# Altium PCB GridSeed_Rev03.PcbDoc (part 4 of 5) (continued)
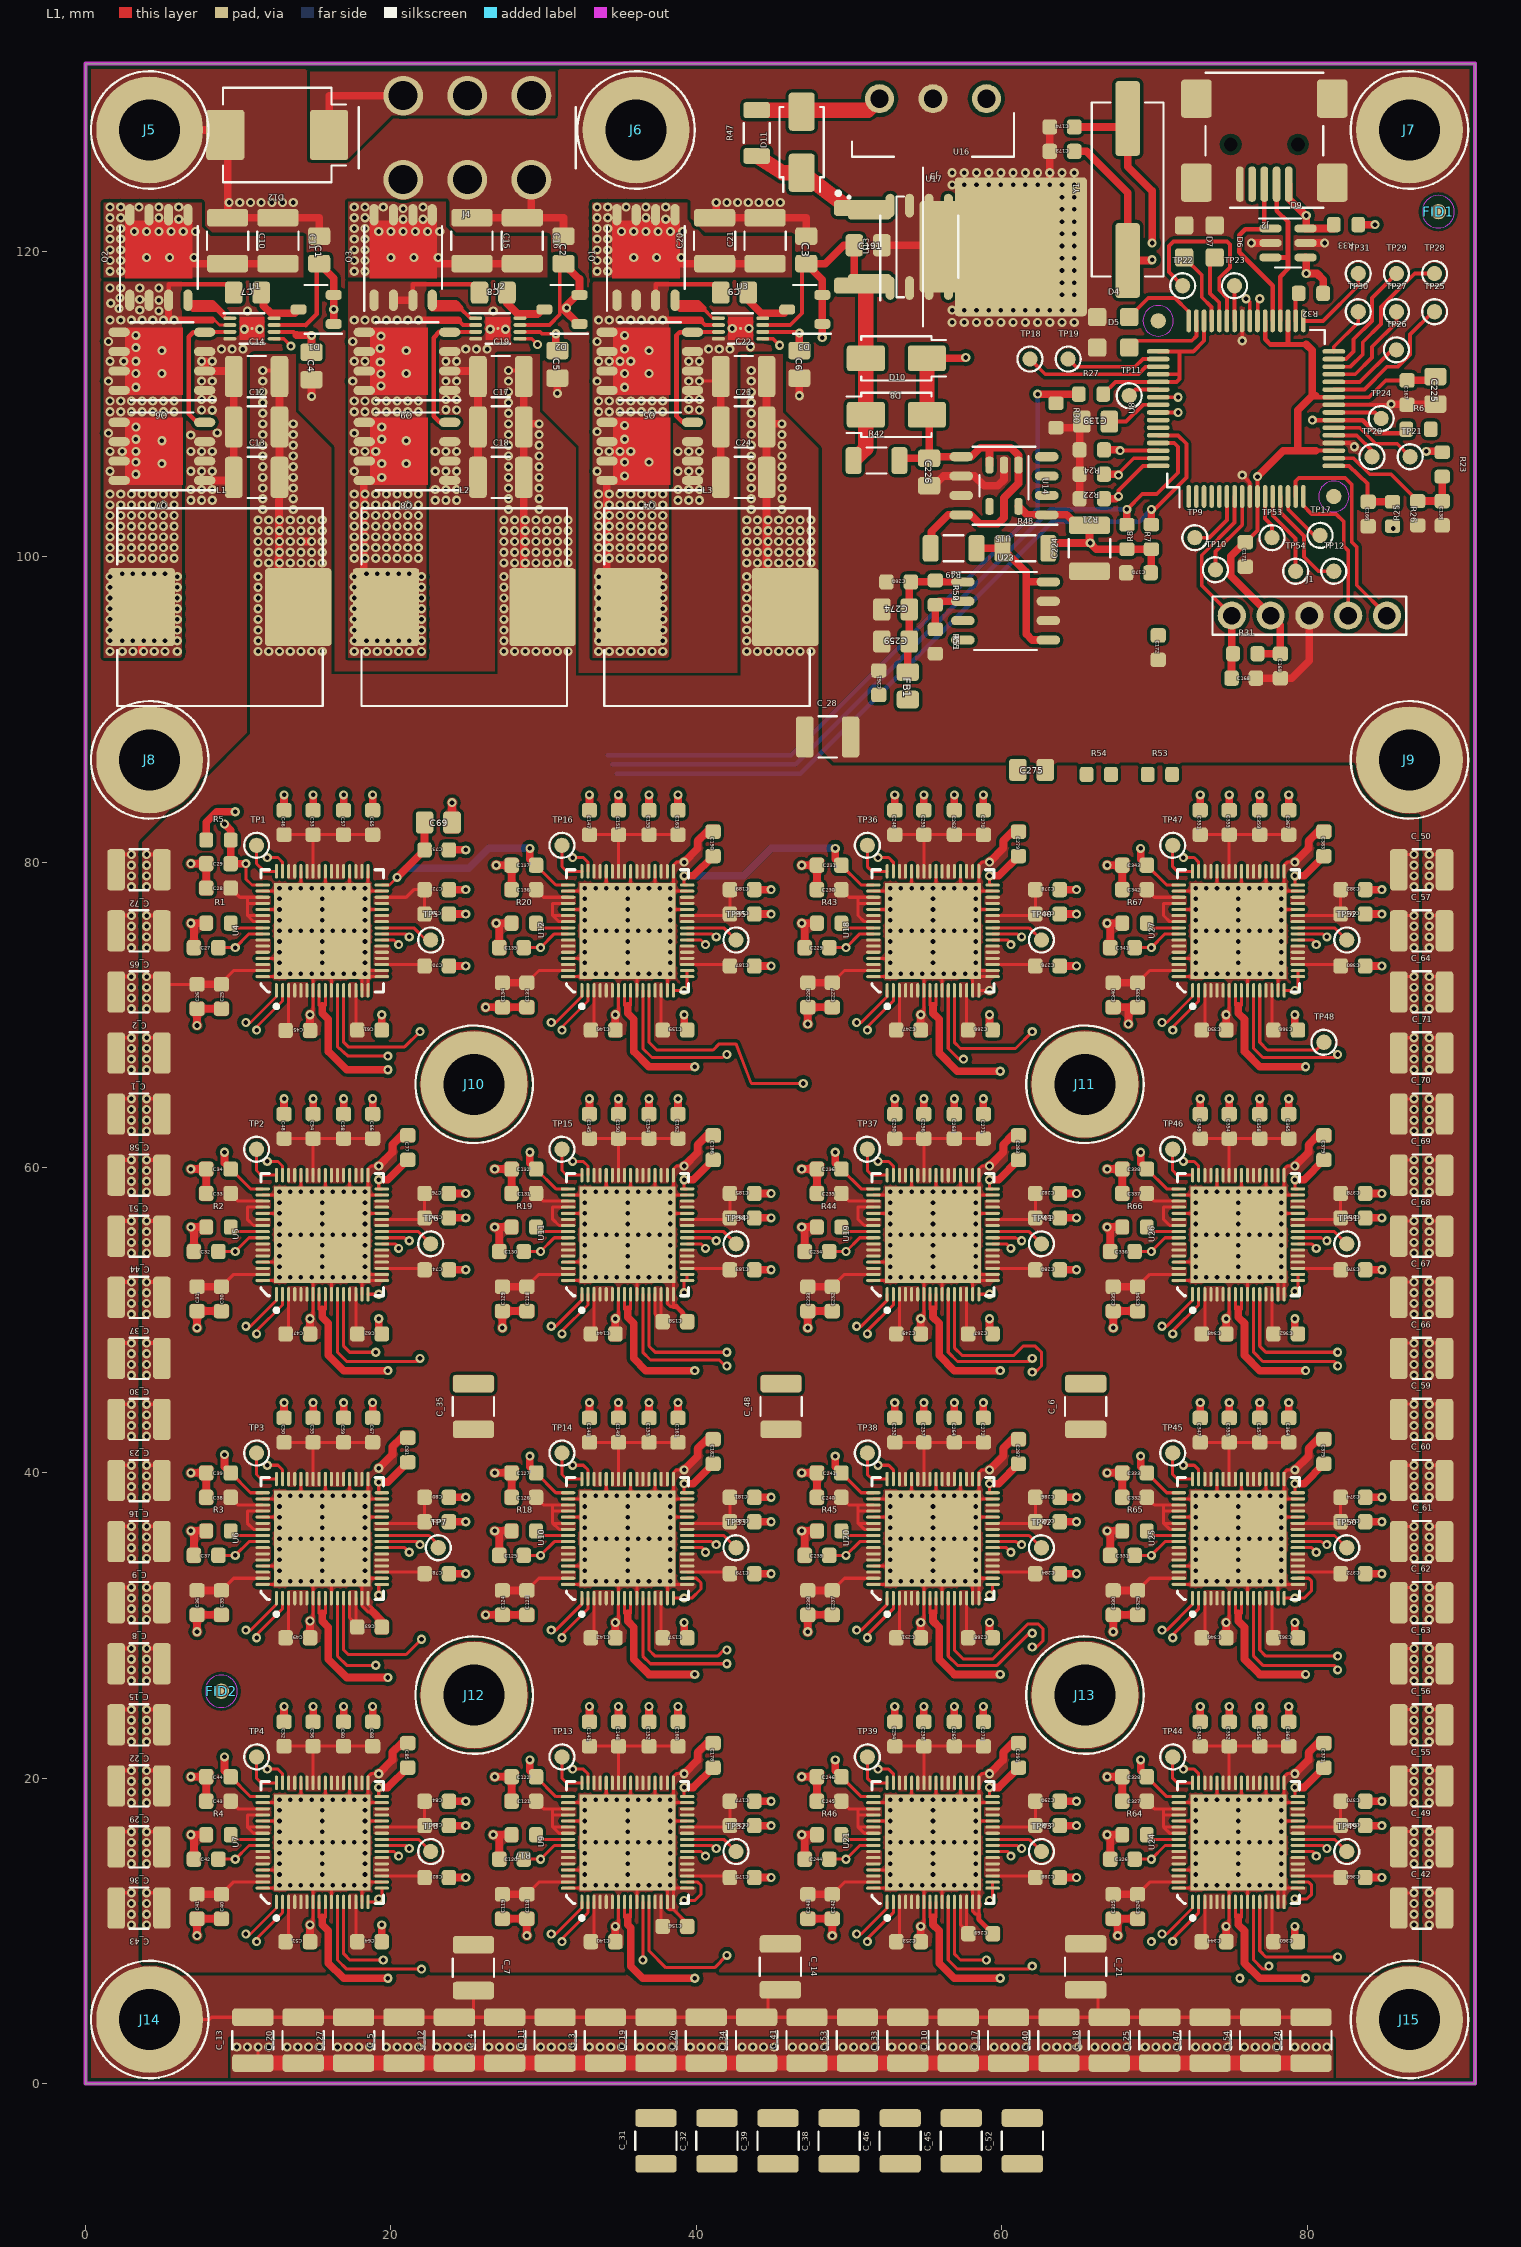
[diagram p0: L1 view]
## Nets (pads, with @x,y where several pads share a name; then routed paths per layer and width w, separated by ;. In a path a pad name is that pad's centre, name@x,y a point inside that pad or via, vN(x,y) a via of type N, cw(c..) or ccw(c..) an arc to the next point about the centre after c; other vN are vias at no path point) (continued)
  L1 w0.25: C_43.2@2,11.5 2,12.5 v1(3,12.5) ; C_36.2@2,15.5 2,16.5 v1(3,16.5) ; C_29.2@2,19.5 2,20.5 v1(3,20.5) ; C_22.2@2,23.5 2,24.5 v1(3,24.5) ; C_15.2@2,27.5 2,28.5 v1(3,28.5) ; C_8.2@2,31.5 2,32.5 v1(3,32.5) ; C_9.2@2,35.5 2,36.5 v1(3,36.5) ; C_16.2@2,39.5 2,40.5 v1(3,40.5) ; C_23.2@2,43.5 2,44.5 v1(3,44.5) ; C_30.2@2,47.5 2,48.5 v1(3,48.5) ; C_37.2@2,51.5 2,52.5 v1(3,52.5) ; C_44.2@2,55.5 2,56.5 v1(3,56.5) ; C_51.2@2,59.5 2,60.5 v1(3,60.5) ; C_58.2@2,63.5 2,64.5 v1(3,64.5) ; C_1.2@2,67.5 2,68.5 v1(3,68.5) ; C_2.2@2,71.5 2,72.5 v1(3,72.5) ; C_65.2@2,75.5 2,76.5 v1(3,76.5) ; C_72.2@2,79.5 2,80.5 v1(3,80.5) ; v1(75.75,105.35) 76.25,104.85 U8.9@76.25,103.95 ; v1(75.75,114.15) U8.41@75.75,115.45 ; U8.20@81.75,107.45 82.8,107.45 v1(83.1,107.2) ; U8.25@81.75,109.95 C167.2@86.55,109.95
  L1 w0.3: 38.5,50.9 38.7,50.9 39.1,50.5 C158.1@39.1,49.9 ; 58.5,11.1 58.5,10.743 C269.1@59.424,9.819
  L1 w0.5: J5.1@4.2,127.95 8.825,127.95 D12.2@9.15,127.625 9.3,127.625 C10.1@9.3,122.2 C11.1@12.6,122.2 15.3,122.2 C1.1@15.3,121 ; v1(6.9,16.3) v1@7.1,16.3 ; v1(6.9,20.1) C44.1@7.9,20.1 C43.1@7.9,18.5 ; v1(6.9,36.2) v1@7.1,36.2 ; v1(6.9,40) C39.1@7.9,40 C38.1@7.9,38.4 ; v1(6.9,56.1) v1@7.1,56.1 ; v1(6.9,59.9) C34.1@7.9,59.9 C33.1@7.9,58.3 ; v1(6.9,76) v1@7.1,76 ; v1(6.9,79.9) C29.1@7.9,79.9 C28.1@7.9,78.3 ; C42.1@7.1,14.7 v1@7.1,16.3 ; C37.1@7.1,34.6 v1@7.1,36.2 ; C32.1@7.1,54.5 v1@7.1,56.1 ; C27.1@7.1,74.4 v1@7.1,76 ; v1(7.3,9.7) C41.1@7.3,10.8 C40.1@8.9,10.8 ; v1(7.3,29.6) C36.1@7.3,30.7 C35.1@8.9,30.7 ; v1(7.3,49.5) C31.1@7.3,50.6 C30.1@8.9,50.6 ; v1(7.3,69.3) C26.1@7.3,70.4 C25.1@8.9,70.4 ; v1(7.6,112.8) 7.82,112.8 Q6.2@7.82,112.165 ; Q7.1@7.8,104.995 9.2,104.995 9.405,105.2 C13.1@9.7,105.2 C12.1@9.7,108.5 C14.1@9.7,111.8 9.6,112.065 9.5,112.165 Q6.2@7.82,112.165 ; Q6.2@7.8,112.165 Q6.2@7.82,112.165 ; R4.1@7.9,16.3 v1@7.1,16.3 ; R3.1@7.9,36.2 v1@7.1,36.2 ; R2.1@7.9,56.1 v1@7.1,56.1 ; R1.1@7.9,76 v1@7.1,76 ; C52.1@13,23.7 v1(13,24.7) ; C50.1@13,43.6 v1(13,44.6) ; C48.1@13,63.5 v1(13,64.5) ; C46.1@13,83.4 v1(13,84.4) ; C51.1@14.7,9.3 v1(14.7,10.4) ; C49.1@14.7,29.2 v1(14.7,30.3) ; C47.1@14.7,49.1 v1(14.7,50.1) ; C45.1@14.7,68.977 v1(14.7,70) ; v1(14.8,110.5) C4.2@14.8,111.6 ; C56.1@14.9,23.7 v1(14.9,24.7) ; C55.1@14.9,43.6 v1(14.9,44.6) ; C54.1@14.9,63.5 v1(14.9,64.5) ; C53.1@14.9,83.4 v1(14.9,84.4) ; C60.1@16.9,23.7 v1(16.9,24.7) ; C59.1@16.9,43.6 v1(16.9,44.6) ; C58.1@16.9,63.5 v1(16.9,64.5) ; C57.1@16.9,83.4 v1(16.9,84.4) ; C68.1@18.8,23.7 v1(18.8,24.7) ; 18.8,30.9 19.4,30.3 C63.1@19.4,29.9 ; C67.1@18.8,43.6 v1(18.8,44.6) ; C66.1@18.8,63.5 v1(18.8,64.5) ; C65.1@18.8,83.4 v1(18.8,84.4) ; v1(19.2,20.3) 20.1,21.2 20.1,21.7 20.7,22.3 C85.1@21.1,22.3 ; v1(19.2,40.3) 20.1,41.2 20.1,41.7 20.7,42.3 C81.1@21.1,42.3 ; v1(19.2,50.1) 19.2,49.1 C62.1@19.4,49.1 ; v1(19.2,60.1) 20.1,61 20.1,61.5 20.7,62.1 C77.1@21.1,62.1 ; C64.1@19.4,9.3 v1(19.4,10.4) ; C61.1@19.4,69 v1(19.4,70) ; C82.1@23.8,13.5 v1(24.9,13.5) ; C83.1@23.8,16.9 v1(24.9,16.9) ; C84.1@23.8,18.5 v1(24.9,18.5) ; C78.1@23.8,33.4 v1(24.9,33.4) ; C79.1@23.8,36.8 v1(24.9,36.8) ; C80.1@23.8,38.4 v1(24.9,38.4) ; C74.1@23.8,53.3 v1(24.9,53.3) ; C75.1@23.8,56.7 v1(24.9,56.7) ; C76.1@23.8,58.3 v1(24.9,58.3) ; C70.1@23.8,73.2 v1(24.9,73.2) ; C71.1@23.8,76.6 v1(24.9,76.6) ; C72.1@23.8,78.2 v1(24.9,78.2) ; C73.1@23.8,80.8 v1(24.9,80.8) ; Q9.2@23.85,112.165 25.6,112.165 25.7,112.065 C19.1@25.7,111.8 C17.1@25.7,108.5 C18.1@25.7,105.2 ; C69.2@24,82.6 v1(24,83.9) ; C15.1@25.3,122.2 C16.1@28.6,122.2 C16.1@29.2,122.2 ; v1(26.2,30.7) C124.1@27.3,30.7 C123.1@28.9,30.7 ; v1(26.2,70.5) C134.1@27.3,70.5 C133.1@28.9,70.5 ; v1(26.7,16.3) 27.1,16.3 ; v1(26.8,20.1) C122.1@27.9,20.1 C121.1@27.9,18.5 ; v1(26.8,36.2) 27.1,36.2 ; v1(26.8,40) C127.1@27.9,40 C126.1@27.9,38.4 ; v1(26.8,56.1) 27.1,56.1 ; v1(26.8,59.9) C132.1@27.9,59.9 C131.1@27.9,58.3 ; v1(26.9,76) v1@27.1,76 ; v1(26.9,79.8) C137.1@27.9,79.8 C136.1@27.9,78.2 ; C120.1@27.1,14.7 27.1,16.3 ; C125.1@27.1,34.6 27.1,36.2 ; C130.1@27.1,54.5 27.1,56.1 ; C135.1@27.1,74.4 v1@27.1,76 ; C119.1@27.3,10.8 C118.1@28.9,10.8 v1(28.9,9.7) ; v1(27.3,49.5) C129.1@27.3,50.6 C128.1@28.9,50.6 ; R17.2@27.9,16.3 27.1,16.3 ; R18.1@27.9,36.2 27.1,36.2 ; R19.1@27.9,56.1 27.1,56.1 ; R20.1@27.9,76 v1@27.1,76 ; J4.6@29.2,124.7 C16.1@29.2,122.2 ; v1(30.9,110.7) C5.2@30.9,111.7 ; C2.1@31.3,121 31.3,122.2 C16.1@29.2,122.2 ; C141.1@33,23.7 v1(33,24.7) ; C143.1@33,43.6 v1(33,44.6) ; C145.1@33,63.5 v1(33,64.5) ; C147.1@33,83.4 v1(33,84.4) ; C140.1@34.7,9.3 v1(34.7,10.3) ; C142.1@34.7,29.2 v1(34.7,30.2) ; C144.1@34.7,49.1 v1(34.7,50.1) ; C146.1@34.7,69 v1(34.7,70) ; C148.1@34.9,23.7 v1(34.9,24.7) ; C149.1@34.9,43.6 v1(34.9,44.6) ; C150.1@34.9,63.5 v1(34.9,64.5) ; C151.1@34.9,83.4 v1(34.9,84.4) ; C152.1@36.9,23.7 v1(36.9,24.7) ; C153.1@36.9,43.6 v1(36.9,44.6) ; C154.1@36.9,63.5 v1(36.9,64.5) ; C155.1@36.9,83.4 v1(36.9,84.4) ; C160.1@38.8,23.7 v1(38.8,24.7) ; C161.1@38.8,43.6 v1(38.8,44.6) ; C162.1@38.8,63.5 v1(38.8,64.5) ; C163.1@38.8,83.4 v1(38.8,84.4) ; v1(39.2,20.3) 40.1,21.2 40.1,21.7 40.7,22.3 C178.1@41.1,22.3 ; v1(39.2,30.2) 39.2,29.2 C157.1@39.4,29.2 ; v1(39.2,40.2) 40.1,41.1 40.1,41.6 40.7,42.2 C182.1@41.1,42.2 ; v1(39.2,60.1) 40.1,61 40.1,61.5 40.7,62.1 C186.1@41.1,62.1 ; v1(39.2,70) 39.2,69 C159.1@39.4,69 ; v1(39.2,80) 40.1,80.9 40.1,81.4 40.7,82 C190.1@41.1,82 ; C20.2@41.2,122.2 C20.2@41.3,122.2 ; v1(41.3,123.2) C20.2@41.3,122.2 ; C24.1@41.6,105.2 41.6,111.5 C22.1@41.6,111.8 ; C175.1@43.8,13.5 v1(44.9,13.5) ; C176.1@43.8,16.9 v1(44.9,16.9) ; C177.1@43.8,18.5 v1(44.9,18.5) ; C179.1@43.8,33.4 v1(44.9,33.4) ; C180.1@43.8,36.8 v1(44.9,36.8) ; C181.1@43.8,38.4 v1(44.9,38.4) ; C183.1@43.8,53.3 v1(44.9,53.3) ; C184.1@43.8,56.7 v1(44.9,56.7) ; C185.1@43.8,58.3 v1(44.9,58.3) ; C187.1@43.8,73.2 v1(44.9,73.2) ; C188.1@43.8,76.6 v1(44.9,76.6) ; C189.1@43.8,78.2 v1(44.9,78.2) ; v1(46.75,110.55) C6.2@46.75,111.7 ; v1(46.9,16.3) v1@47.1,16.3 ; v1(46.9,20.1) C246.1@47.9,20.1 C245.1@47.9,18.5 ; v1(46.9,36.2) v1@47.1,36.2 ; v1(46.9,40) C241.1@47.9,40 C240.1@47.9,38.4 ; v1(46.9,56.1) v1@47.1,56.1 ; v1(46.9,59.9) C236.1@47.9,59.9 C235.1@47.9,58.3 ; v1(46.9,76) v1@47.1,76 ; v1(46.9,79.8) C231.1@47.9,79.8 C230.1@47.9,78.2 ; C244.1@47.1,14.7 v1@47.1,16.3 ; C239.1@47.1,34.6 v1@47.1,36.2 ; C234.1@47.1,54.5 v1@47.1,56.1 ; C229.1@47.1,74.4 v1@47.1,76 ; C3.1@47.2,121 47.2,122.2 C21.2@44.5,122.2 C20.2@41.3,122.2 ; C243.1@47.3,10.8 C242.1@48.9,10.8 v1(48.9,9.7) ; v1(47.3,29.6) C238.1@47.3,30.7 C237.1@48.9,30.7 ; v1(47.3,49.5) C233.1@47.3,50.6 C232.1@48.9,50.6 ; v1(47.3,69.4) C228.1@47.3,70.5 C227.1@48.9,70.5 ; R46.1@47.9,16.3 v1@47.1,16.3 ; R45.1@47.9,36.2 v1@47.1,36.2 ; R44.1@47.9,56.1 v1@47.1,56.1 ; R43.1@47.9,76 v1@47.1,76 ; C191.2@52.15,120.4 61.3,120.4 61.225,120.325 U16.4@61.2,120.3 ; C254.1@53,23.7 v1(53,24.7) ; C252.1@53,43.6 v1(53,44.6) ; C250.1@53,63.5 v1(53,64.5) ; C248.1@53,83.4 v1(53,84.4) ; C253.1@54.7,9.3 v1(54.7,10.3) ; C251.1@54.7,29.2 v1(54.7,30.2) ; C249.1@54.7,49.1 v1(54.7,50.1) ; C247.1@54.7,69 v1(54.7,70) ; C258.1@54.9,23.7 v1(54.9,24.7) ; C257.1@54.9,43.6 v1(54.9,44.6) ; C256.1@54.9,63.5 v1(54.9,64.5) ; C255.1@54.9,83.4 v1(54.9,84.4) ; C226.2@55.25,104.65 55.25,104.85 55.75,104.85 56.185,105.285 U15.6@57.35,105.285 58.215,105.285 58.85,104.65 59.75,104.65 60.15,105.05 U14.2@60.15,106 ; C265.1@56.9,23.7 v1(56.9,24.7) ; C264.1@56.9,43.6 v1(56.9,44.6) ; C263.1@56.9,63.5 v1(56.9,64.5) ; C262.1@56.9,83.4 v1(56.9,84.4) ; U17.4@57.85,120.3 U16.4@61.2,120.3 ; C273.1@58.8,23.7 v1(58.8,24.7) ; C272.1@58.8,43.6 v1(58.8,44.6) ; C271.1@58.8,63.5 v1(58.8,64.5) ; C270.1@58.8,83.4 v1(58.8,84.4) ; v1(59.2,20.3) 60.1,21.2 60.1,21.7 60.7,22.3 C291.1@61.1,22.3 ; v1(59.2,30.2) 59.2,29.2 C268.1@59.4,29.2 ; v1(59.2,40.2) 60.1,41.1 60.1,41.6 60.7,42.2 C287.1@61.1,42.2 ; v1(59.2,50.1) 59.2,49.1 C267.1@59.4,49.1 ; v1(59.2,60.1) 60.1,61 60.1,61.5 60.7,62.1 C283.1@61.1,62.1 ; v1(59.2,70) 59.2,69 C266.1@59.4,69 ; v1(59.2,80) 60.1,80.9 60.1,81.4 60.7,82 C279.1@61.1,82 ; C174.2@63.15,128.15 C173.2@63.15,126.55 v1(63.15,125.15) v1(63.15,124.35) 63.15,120.3 U16.4@61.25,120.3 U16.4@61.2,120.3 ; R30.2@63.55,108.45 C139.2@65.1,108.45 ; C288.1@63.8,13.5 v1(64.9,13.5) ; C289.1@63.8,16.9 v1(64.9,16.9) ; C290.1@63.8,18.5 v1(64.9,18.5) ; C284.1@63.8,33.4 v1(64.9,33.4) ; C285.1@63.8,36.8 v1(64.9,36.8) ; C286.1@63.8,38.4 v1(64.9,38.4) ; C280.1@63.8,53.3 v1(64.9,53.3) ; C281.1@63.8,56.7 v1(64.9,56.7) ; C282.1@63.8,58.3 v1(64.9,58.3) ; C276.1@63.8,73.2 v1(64.9,73.2) ; C277.1@63.8,76.6 v1(64.9,76.6) ; C278.1@63.8,78.2 v1(64.9,78.2) ; R21.2@65.1,103.8 R22.2@65.1,105.4 R24.2@65.1,107 C139.2@65.1,108.45 ; C139.2@65.25,108.85 65.1,108.85 C139.2@65.1,108.45 ; v1(66.9,16.3) v1@67.1,16.3 ; v1(66.9,20.1) C328.1@67.9,20.1 C327.1@67.9,18.5 ; v1(66.9,36.2) v1@67.1,36.2 ; v1(66.9,40) C333.1@67.9,40 C332.1@67.9,38.4 ; v1(66.9,56.1) v1@67.1,56.1 ; v1(66.9,59.9) C338.1@67.9,59.9 C337.1@67.9,58.3 ; v1(66.9,76) v1@67.1,76 ; v1(66.9,79.8) C343.1@67.9,79.8 C342.1@67.9,78.2 ; C326.1@67.1,14.7 v1@67.1,16.3 ; C331.1@67.1,34.6 v1@67.1,36.2 ; C336.1@67.1,54.5 v1@67.1,56.1 ; C341.1@67.1,74.4 v1@67.1,76 ; C325.1@67.3,10.8 C325.1@67.6,10.8 ; v1(67.3,29.6) C330.1@67.3,30.7 C329.1@68.9,30.7 ; v1(67.3,49.5) C335.1@67.3,50.6 C334.1@68.9,50.6 ; C340.1@67.3,70.5 68.3,70.5 ; v1(67.6,9.7) C325.1@67.6,10.8 ; R64.1@67.9,16.3 v1@67.1,16.3 ; R65.1@67.9,36.2 v1@67.1,36.2 ; R66.1@67.9,56.1 v1@67.1,56.1 ; R67.1@67.9,76 v1@67.1,76 ; v1(68.3,69.4) 68.3,70.5 ; C324.1@68.9,10.8 C325.1@67.6,10.8 ; C339.1@68.9,70.5 68.3,70.5 ; C345.1@73,23.7 v1(73,24.7) ; C347.1@73,43.6 v1(73,44.6) ; C349.1@73,63.5 v1(73,64.5) ; C351.1@73,83.4 v1(73,84.4) ; C344.1@74.7,9.3 v1(74.7,10.3) ; C346.1@74.7,29.2 v1(74.7,30.2) ; C348.1@74.7,49.1 v1(74.7,50.1) ; C350.1@74.7,69 v1(74.7,70) ; C352.1@74.9,23.7 v1(74.9,24.7) ; C353.1@74.9,43.6 v1(74.9,44.6) ; C354.1@74.9,63.5 v1(74.9,64.5) ; C355.1@74.9,83.4 v1(74.9,84.4) ; v1(76.35,120.55) D9.2@77.6,120.55 ; C168.2@76.65,92.05 C169.2@78.25,92.05 79,92.05 80.15,93.2 J1.3@80.15,96.15 ; C356.1@76.9,23.7 v1(76.9,24.7) ; C357.1@76.9,43.6 v1(76.9,44.6) ; C358.1@76.9,63.5 v1(76.9,64.5) ; C359.1@76.9,83.4 v1(76.9,84.4) ; C363.1@78.8,23.7 v1(78.8,24.7) ; C364.1@78.8,43.6 v1(78.8,44.6) ; C365.1@78.8,63.5 v1(78.8,64.5) ; C367.1@78.8,83.4 v1(78.8,84.4) ; v1(79.2,10.3) 79.2,9.3 C360.1@79.4,9.3 ; v1(79.2,20.3) 80.1,21.2 80.1,21.7 80.7,22.3 C371.1@81.1,22.3 ; v1(79.2,30.2) 79.2,29.2 C361.1@79.4,29.2 ; v1(79.2,40.2) 80.1,41.1 80.1,41.6 80.7,42.2 C375.1@81.1,42.2 ; v1(79.2,50.1) 79.2,49.1 C362.1@79.4,49.1 ; v1(79.2,60.1) 80.1,61 80.1,61.5 80.7,62.1 C379.1@81.1,62.1 ; v1(79.2,70) 79.2,69 C366.1@79.4,69 ; v1(79.2,80) 80.1,80.9 80.1,81.4 80.7,82 C383.1@81.1,82 ; D9.5@79.9,120.55 v1(81.15,120.55) ; C368.1@83.8,13.5 v1(84.9,13.5) ; C369.1@83.8,16.9 v1(84.9,16.9) ; C370.1@83.8,18.5 v1(84.9,18.5) ; C372.1@83.8,33.4 v1(84.9,33.4) ; C373.1@83.8,36.8 v1(84.9,36.8) ; C374.1@83.8,38.4 v1(84.9,38.4) ; C376.1@83.8,53.3 v1(84.9,53.3) ; C377.1@83.8,56.7 v1(84.9,56.7) ; C378.1@83.8,58.3 v1(84.9,58.3) ; C380.1@83.8,73.2 v1(84.9,73.2) ; C381.1@83.8,76.6 v1(84.9,76.6) ; C382.1@83.8,78.2 v1(84.9,78.2) ; v1(85.5,110) 86,110 ; C167.2@86.55,109.95 86,110 ; C225.2@88.4,110 86,110
  other v1: 3,10.4 88,10.4 3,11.1 88,11.1 3,11.8 88,11.8 12.7,13 13.4,13 14.1,13 14.8,13 16.2,13 16.9,13 17.6,13 18.3,13 32.7,13 33.4,13 34.1,13 34.8,13 36.2,13 36.9,13 37.6,13 38.3,13 52.7,13 53.4,13 54.1,13 54.8,13 56.2,13 56.9,13 57.6,13 58.3,13 72.7,13 73.4,13 74.1,13 74.8,13 76.2,13 76.9,13 77.6,13 78.3,13 12.7,13.7 18.3,13.7 32.7,13.7 38.3,13.7 52.7,13.7 58.3,13.7 72.7,13.7 78.3,13.7 3,14.4 12.7,14.4 18.3,14.4 32.7,14.4 38.3,14.4 52.7,14.4 58.3,14.4 72.7,14.4 78.3,14.4 88,14.4 3,15.1 12.7,15.1 18.3,15.1 32.7,15.1 38.3,15.1 52.7,15.1 58.3,15.1 72.7,15.1 78.3,15.1 88,15.1 3,15.8 12.7,15.8 13.4,15.8 14.1,15.8 14.8,15.8 16.2,15.8 16.9,15.8 17.6,15.8 18.3,15.8 32.7,15.8 33.4,15.8 34.1,15.8 34.8,15.8 36.2,15.8 36.9,15.8 37.6,15.8 38.3,15.8 52.7,15.8 53.4,15.8 54.1,15.8 54.8,15.8 56.2,15.8 56.9,15.8 57.6,15.8 58.3,15.8 72.7,15.8 73.4,15.8 74.1,15.8 74.8,15.8 76.2,15.8 76.9,15.8 77.6,15.8 78.3,15.8 88,15.8 12.7,16.5 18.3,16.5 32.7,16.5 38.3,16.5 52.7,16.5 58.3,16.5 72.7,16.5 78.3,16.5 12.7,17.9 18.3,17.9 32.7,17.9 38.3,17.9 52.7,17.9 58.3,17.9 72.7,17.9 78.3,17.9 3,18.4 88,18.4 12.7,18.6 13.4,18.6 14.8,18.6 15.5,18.6 16.2,18.6 16.9,18.6 17.6,18.6 18.3,18.6 32.7,18.6 33.4,18.6 34.8,18.6 35.5,18.6 36.2,18.6 36.9,18.6 37.6,18.6 38.3,18.6 52.7,18.6 53.4,18.6 54.8,18.6 55.5,18.6 56.2,18.6 56.9,18.6 57.6,18.6 58.3,18.6 72.7,18.6 73.4,18.6 74.8,18.6 75.5,18.6 76.2,18.6 76.9,18.6 77.6,18.6 78.3,18.6 3,19.1 88,19.1 3,19.8 88,19.8 3,22.4 88,22.4 3,23.1 88,23.1 3,23.8 88,23.8 3,26.4 88,26.4 3,27.1 88,27.1 3,27.8 88,27.8 3,30.4 88,30.4 3,31.1 88,31.1 3,31.8 88,31.8 13.4,32.9 14.1,32.9 14.8,32.9 16.2,32.9 16.9,32.9 17.6,32.9 18.3,32.9 32.7,32.9 33.4,32.9 34.1,32.9 34.8,32.9 36.2,32.9 36.9,32.9 37.6,32.9 38.3,32.9 52.7,32.9 53.4,32.9 54.1,32.9 54.8,32.9 56.2,32.9 56.9,32.9 57.6,32.9 58.3,32.9 72.7,32.9 73.4,32.9 74.1,32.9 74.8,32.9 76.2,32.9 76.9,32.9 77.6,32.9 78.3,32.9 12.7,33.6 18.3,33.6 32.7,33.6 38.3,33.6 52.7,33.6 58.3,33.6 72.7,33.6 78.3,33.6 12.7,34.3 18.3,34.3 32.7,34.3 38.3,34.3 52.7,34.3 58.3,34.3 72.7,34.3 78.3,34.3 3,34.4 88,34.4 12.7,35 18.3,35 32.7,35 38.3,35 52.7,35 58.3,35 72.7,35 78.3,35 3,35.1 88,35.1 12.7,35.7 13.4,35.7 14.1,35.7 14.8,35.7 16.2,35.7 16.9,35.7 17.6,35.7 18.3,35.7 32.7,35.7 33.4,35.7 34.1,35.7 34.8,35.7 36.2,35.7 36.9,35.7 37.6,35.7 38.3,35.7 52.7,35.7 53.4,35.7 54.1,35.7 54.8,35.7 56.2,35.7 56.9,35.7 57.6,35.7 58.3,35.7 72.7,35.7 73.4,35.7 74.1,35.7 74.8,35.7 76.2,35.7 76.9,35.7 77.6,35.7 78.3,35.7 3,35.8 88,35.8 12.7,36.4 18.3,36.4 32.7,36.4 38.3,36.4 52.7,36.4 58.3,36.4 72.7,36.4 78.3,36.4 12.7,37.8 18.3,37.8 32.7,37.8 38.3,37.8 52.7,37.8 58.3,37.8 72.7,37.8 78.3,37.8 3,38.4 88,38.4 12.7,38.5 13.4,38.5 14.8,38.5 15.5,38.5 16.2,38.5 16.9,38.5 17.6,38.5 18.3,38.5 32.7,38.5 33.4,38.5 34.8,38.5 35.5,38.5 36.2,38.5 36.9,38.5 37.6,38.5 38.3,38.5 52.7,38.5 53.4,38.5 54.8,38.5 55.5,38.5 56.2,38.5 56.9,38.5 57.6,38.5 58.3,38.5 72.7,38.5 73.4,38.5 74.8,38.5 75.5,38.5 76.2,38.5 76.9,38.5 77.6,38.5 78.3,38.5 3,39.1 88,39.1 3,39.8 88,39.8 3,42.4 88,42.4 3,43.1 88,43.1 3,43.8 88,43.8 3,46.4 88,46.4 3,47.1 88,47.1 3,47.8 88,47.8 3,50.4 88,50.4 3,51.1 88,51.1 3,51.8 88,51.8 12.7,52.8 13.4,52.8 14.1,52.8 14.8,52.8 16.2,52.8 16.9,52.8 17.6,52.8 18.3,52.8 32.7,52.8 33.4,52.8 34.1,52.8 34.8,52.8 52.7,52.8 53.4,52.8 54.1,52.8 54.8,52.8 56.2,52.8 56.9,52.8 57.6,52.8 58.3,52.8 72.7,52.8 73.4,52.8 74.1,52.8 74.8,52.8 76.2,52.8 76.9,52.8 77.6,52.8 78.3,52.8 12.7,53.5 18.3,53.5 32.7,53.5 38.3,53.5 52.7,53.5 58.3,53.5 72.7,53.5 78.3,53.5 12.7,54.2 18.3,54.2 32.7,54.2 38.3,54.2 52.7,54.2 58.3,54.2 72.7,54.2 78.3,54.2 3,54.4 88,54.4 12.7,54.9 18.3,54.9 32.7,54.9 38.3,54.9 52.7,54.9 58.3,54.9 72.7,54.9 78.3,54.9 3,55.1 88,55.1 12.7,55.6 13.4,55.6 14.1,55.6 14.8,55.6 16.2,55.6 16.9,55.6 17.6,55.6 18.3,55.6 32.7,55.6 33.4,55.6 34.1,55.6 34.8,55.6 36.2,55.6 36.9,55.6 37.6,55.6 38.3,55.6 52.7,55.6 53.4,55.6 54.1,55.6 54.8,55.6 56.2,55.6 56.9,55.6 57.6,55.6 58.3,55.6 72.7,55.6 73.4,55.6 74.1,55.6 74.8,55.6 76.2,55.6 76.9,55.6 77.6,55.6 78.3,55.6 3,55.8 88,55.8 12.7,56.3 18.3,56.3 32.7,56.3 38.3,56.3 52.7,56.3 58.3,56.3 72.7,56.3 78.3,56.3 12.7,57.7 18.3,57.7 32.7,57.7 38.3,57.7 52.7,57.7 58.3,57.7 72.7,57.7 78.3,57.7 3,58.4 12.7,58.4 13.4,58.4 14.8,58.4 15.5,58.4 16.2,58.4 16.9,58.4 17.6,58.4 18.3,58.4 32.7,58.4 33.4,58.4 34.8,58.4 35.5,58.4 36.2,58.4 36.9,58.4 37.6,58.4 38.3,58.4 52.7,58.4 53.4,58.4 54.8,58.4 55.5,58.4 56.2,58.4 56.9,58.4 57.6,58.4 58.3,58.4 72.7,58.4 73.4,58.4 74.8,58.4 75.5,58.4 76.2,58.4 76.9,58.4 77.6,58.4 78.3,58.4 88,58.4 3,59.1 88,59.1 3,59.8 88,59.8 3,62.4 88,62.4 3,63.1 88,63.1 3,63.8 88,63.8 3,66.4 88,66.4 3,67.1 88,67.1 3,67.8 88,67.8 3,70.4 88,70.4 3,71.1 88,71.1 3,71.8 88,71.8 12.7,72.7 13.4,72.7 14.1,72.7 14.8,72.7 16.2,72.7 16.9,72.7 17.6,72.7 18.3,72.7 32.7,72.7 33.4,72.7 34.1,72.7 34.8,72.7 36.2,72.7 36.9,72.7 37.6,72.7 52.7,72.7 53.4,72.7 54.1,72.7 54.8,72.7 56.2,72.7 56.9,72.7 57.6,72.7 58.3,72.7 72.7,72.7 73.4,72.7 74.1,72.7 74.8,72.7 76.2,72.7 76.9,72.7 77.6,72.7 78.3,72.7 12.7,73.4 18.3,73.4 32.7,73.4 38.3,73.4 52.7,73.4 58.3,73.4 72.7,73.4 78.3,73.4 12.7,74.1 18.3,74.1 32.7,74.1 38.3,74.1 52.7,74.1 58.3,74.1 72.7,74.1 78.3,74.1 3,74.4 88,74.4 12.7,74.8 18.3,74.8 32.7,74.8 38.3,74.8 52.7,74.8 58.3,74.8 72.7,74.8 78.3,74.8 3,75.1 88,75.1 12.7,75.5 13.4,75.5 14.1,75.5 14.8,75.5 16.2,75.5 16.9,75.5 17.6,75.5 18.3,75.5 32.7,75.5 33.4,75.5 34.1,75.5 34.8,75.5 36.2,75.5 36.9,75.5 37.6,75.5 38.3,75.5 52.7,75.5 53.4,75.5 54.1,75.5 54.8,75.5 56.2,75.5 56.9,75.5 57.6,75.5 58.3,75.5 72.7,75.5 73.4,75.5 74.1,75.5 74.8,75.5 76.2,75.5 76.9,75.5 77.6,75.5 78.3,75.5 3,75.8 88,75.8 12.7,76.2 18.3,76.2 32.7,76.2 38.3,76.2 52.7,76.2 58.3,76.2 72.7,76.2 78.3,76.2 12.7,77.6 18.3,77.6 32.7,77.6 38.3,77.6 52.7,77.6 58.3,77.6 72.7,77.6 78.3,77.6 12.7,78.3 13.4,78.3 14.8,78.3 16.2,78.3 16.9,78.3 17.6,78.3 18.3,78.3 32.7,78.3 33.4,78.3 34.8,78.3 35.5,78.3 36.2,78.3 36.9,78.3 37.6,78.3 38.3,78.3 52.7,78.3 53.4,78.3 54.8,78.3 55.5,78.3 56.2,78.3 56.9,78.3 57.6,78.3 58.3,78.3 72.7,78.3 73.4,78.3 74.8,78.3 75.5,78.3 76.2,78.3 76.9,78.3 77.6,78.3 78.3,78.3 3,78.4 88,78.4 3,79.1 88,79.1 3,79.8 88,79.8 6.9,103.7 7.6,103.7 8.3,103.7 22.9,103.7 23.6,103.7 24.3,103.7 38.8,103.7 39.5,103.7 40.2,103.7 6.9,104.4 7.6,104.4 8.3,104.4 22.9,104.4 23.6,104.4 24.3,104.4 38.8,104.4 39.5,104.4 40.2,104.4 6.9,105.6 7.6,105.6 8.3,105.6 22.9,105.6 23.6,105.6 24.3,105.6 38.8,105.6 39.5,105.6 40.2,105.6 6.9,106.9 7.6,106.9 8.3,106.9 22.9,106.9 23.6,106.9 24.3,106.9 38.8,106.9 39.5,106.9 40.2,106.9 6.888,107.968 8.62,108.11 8.3,109.6 7.6,109.61 24.3,109.61 40.2,109.61 23.6,109.63 39.5,109.65 7.6,110.3 8.3,110.3 23.6,110.3 24.3,110.3 39.5,110.3 40.2,110.3 7.6,111.5 8.3,111.5 23.6,111.5 24.3,111.5 39.5,111.5 8.3,112.8 23.6,112.8 24.3,112.8 39.5,112.8 40.2,112.8 8.9,113.6 9.6,113.6 10.3,113.6 24.9,113.6 25.6,113.6 26.3,113.6 40.8,113.6 41.5,113.6 42.2,113.6 43.55,113.75 10.4,114.9 11.4,114.9 26.5,114.9 27.5,114.9 42.35,114.95 43.45,114.95 56.75,115.35 57.55,115.35 58.35,115.35 59.15,115.35 59.95,115.35 60.75,115.35 61.55,115.35 62.35,115.35 63.15,115.35 63.95,115.35 64.75,115.35 10.6,116.1 26.7,116.1 56.75,116.15 57.55,116.15 58.35,116.15 59.15,116.15 59.95,116.15 60.75,116.15 61.55,116.15 62.35,116.15 63.15,116.15 63.95,116.15 64.75,116.15 63.95,117.15 64.75,117.15 63.95,117.95 64.75,117.95 63.95,118.75 64.75,118.75 63.95,119.55 64.75,119.55 63.95,120.35 64.75,120.35 63.95,121.15 64.75,121.15 63.95,121.95 64.75,121.95 63.95,122.75 64.75,122.75 9.4,123.2 10.1,123.2 10.8,123.2 11.5,123.2 12.2,123.2 12.9,123.2 13.6,123.2 42,123.2 42.7,123.2 43.4,123.2 44.1,123.2 44.8,123.2 45.5,123.2 63.95,123.55 64.75,123.55 56.75,124.35 57.55,124.35 58.35,124.35 59.15,124.35 59.95,124.35 60.75,124.35 61.55,124.35 62.35,124.35 63.95,124.35 64.75,124.35 56.75,125.15 57.55,125.15 58.35,125.15 59.15,125.15 59.95,125.15 60.75,125.15 61.55,125.15 62.35,125.15 63.95,125.15 64.75,125.15
GREEN: D5.2 U8.47 | length 5.7
  L1 w0.25: D5.2@68.35,113.7 68.8,114.15 72.45,114.15 72.75,114.45 72.75,114.85 U8.47@72.75,115.45
HO1: Q2.4 U1.1 | length 5.5
  L1 w0.25: 9,115.9 9,115.775 9.15,115.625 U1.1@9.45,115.625
  L1 w0.45: 9,115.9 8.65,116.25 ; 8.65,116.25 7.035,116.25 6.705,116.58 8.32,116.58 8.65,116.25
  L1 w0.5: Q2.4@6.705,116.58 Q2.4@6.705,116.8
HO2: Q3.4 U2.1 | length 5.8
  L1 w0.25: Q3.4@22.705,116.3 Q3.4@22.705,116.58 ; 24.525,116.3 25.2,115.625 U2.1@25.55,115.625
  L1 w0.45: Q3.4@22.705,116.58 24.245,116.58 24.525,116.3 22.705,116.3 Q3.4@22.705,116.6
  L1 w0.5: Q3.4@22.705,116.6 Q3.4@22.705,116.8
HO3: Q1.4 U3.1 | length 5.4
  L1 w0.25: 40.45,116.25 41.075,115.625 U3.1@41.45,115.625
  L1 w0.45: Q1.4@38.605,116.58 38.935,116.25 40.45,116.25 40.12,116.58 Q1.4@38.605,116.58
  L1 w0.5: Q1.4@38.605,116.58 Q1.4@38.605,116.8
LDO3.3V-5.0V: R48.1 R49.1 U22.5 U22.8 U23.5 U23.8 | length 10.8
  L1 w0.5: R49.1@58.35,100.55 R48.1@60.05,100.55 61.6,99 61.6,98.355 ; U22.5@62.95,94.545 62,94.545 61.6,94.945 61.6,98.355 ; U22.8@62.95,98.355 61.6,98.355
LDO5.0V: C226.1 D8.1 D10.2 R33.1 R42.2 R49.2 U14.1 U14.3 U15.5 U15.8 | length 63.2
  L1 w0.5: R42.2@53.3,106.3 53.45,106.45 C226.1@55.25,106.45 C226.1@55.25,106.555 ; D10.2@55.1,109.3 55.25,109.15 C226.1@55.25,106.555 ; D8.1@55.1,113 57.6,113 v1(57.65,113.05) ; R49.2@55.35,100.55 55.4,100.6 55.4,101.645 56.5,102.745 U15.8@57.35,102.745 57.955,102.745 58.55,102.15 59.75,102.15 60.15,102.55 60.15,103.85 61.1,104.8 U14.1@61.1,106 61.1,106.65 60.6,107.15 59.2,107.15 ; U14.3@59.2,106 59.2,107.15 ; R33.1@83.35,121.75 v1(84.45,121.75) ; C226.1@55.25,106.555 U15.5@57.35,106.555 58.005,106.555 58.6,107.15 59.2,107.15
  L1 w1: D10.2@55.1,109.3 D8.1@55.1,113
  L3 w0.25: v1(57.65,113.05) 78.85,113.05 84.45,118.65 v1(84.45,121.75)
LM12V: D11.1 R47.1 U13.8 U16.1 U17.1 | length 11
  L1 w0.5: U16.1@50.9,122.84 U16.1@51.1,122.84 ; U16.1@51.29,122.85 51.44,123 U13.8@52.695,123 ; U17.1@51.35,122.59 U16.1@51.35,122.79 ; U16.1@51.1,122.84 U16.1@51.35,122.79 ; U16.1@51.1,122.84 51.3,122.84 U16.1@51.35,122.79
  L1 w1: R47.1@43.95,126.25 45.65,125.15 D11.1@46.9,125.15 49.95,122.85 51.29,122.85 U16.1@51.1,122.84
LO1: Q6.4 Q7.4 U1.3 | length 9.2
  L1 w0.25: Q6.4@7.8,114.705 7.8,114.725 U1.3@9.45,114.725
  L1 w0.3: Q7.4@7.8,108.805 7.795,108.8 7.3,108.8 6.75,109.35 6.75,114.4 7.055,114.705 Q6.4@7.8,114.705
LO2: Q8.4 Q9.4 U2.3 | length 9.3
  L1 w0.25: Q9.4@23.85,114.705 23.87,114.725 U2.3@25.55,114.725
  L1 w0.3: Q8.4@23.85,108.805 23.2,108.805 22.8,109.205 22.8,114.35 23.175,114.725 Q9.4@23.87,114.725
LO3: Q4.4 Q5.4 U3.3 | length 9.4
  L1 w0.25: Q5.4@40,114.705 40.02,114.725 U3.3@41.45,114.725
  L1 w0.3: Q4.4@39.75,108.805 39.1,108.805 38.7,109.205 38.7,114.495 38.91,114.705 Q5.4@40,114.705
LTC_EN: R6.1 U4.47 U5.47 U6.47 U7.47 U8.23 U9.47 U10.47 U11.47 U12.47 U18.47 U19.47 U20.47 U21.47 U24.47 U25.47 U26.47 U27.47 | length 387.7
  L1 w0.2: v1(11.9,20.6) 12.6,20.6 12.9,20.3 U7.47@12.9,19.7 ; v1(11.9,40.5) 12.6,40.5 12.9,40.2 U6.47@12.9,39.6 ; v1(11.9,60.4) 12.6,60.4 12.9,60.1 U5.47@12.9,59.5 ; v1(11.9,80.3) 12.6,80.3 12.9,80 U4.47@12.9,79.4 ; v1(31.9,20.6) 32.6,20.6 32.9,20.3 U9.47@32.9,19.7 ; v1(31.9,40.5) 32.6,40.5 32.9,40.2 U10.47@32.9,39.6 ; v1(31.9,60.4) 32.6,60.4 32.9,60.1 U11.47@32.9,59.5 ; v1(31.9,80.3) 32.6,80.3 32.9,80 U12.47@32.9,79.4 ; v1(51.9,20.6) 52.6,20.6 52.9,20.3 U21.47@52.9,19.7 ; v1(51.9,40.5) 52.6,40.5 52.9,40.2 U20.47@52.9,39.6 ; v1(51.9,60.4) 52.6,60.4 52.9,60.1 U19.47@52.9,59.5 ; v1(51.9,80.3) 52.6,80.3 52.9,80 U18.47@52.9,79.4 ; v1(71.9,20.6) 72.6,20.6 72.9,20.3 U24.47@72.9,19.7 ; v1(71.9,40.5) 72.6,40.5 72.9,40.2 U25.47@72.9,39.6 ; v1(71.9,60.4) 72.6,60.4 72.9,60.1 U26.47@72.9,59.5 ; v1(71.9,80.3) 72.6,80.3 72.9,80 U27.47@72.9,79.4
  L1 w0.3: v1(80.35,108.95) 83.65,108.95 84.5,108.1 86.5,108.1 R6.1@86.5,108.35
  L2 w0.3: v1(11.9,80.3) v1(11.9,60.4) v1(11.9,40.5) v1(11.9,20.6) 11.9,10.3 13.3,8.9 19.7,8.9 21.8,6.8 31.9,6.8 ; v1(31.9,80.3) v1(31.9,60.4) v1(31.9,40.5) v1(31.9,20.6) 31.9,6.8 ; v1(51.9,80.3) v1(51.9,60.4) v1(51.9,40.5) v1(51.9,20.6) 51.9,7.6 ; v1(71.9,80.3) v1(71.9,60.4) v1(71.9,40.5) v1(71.9,20.6) 71.9,8.2 70.5,6.8 62,6.8 59.9,8.9 58.3,8.9 57,7.6 51.9,7.6 ; 31.9,6.8 34,6.8 36.3,9.1 37.5,9.1 39,7.6 51.9,7.6
"MAIN OSC IN": C173.1 U8.39 Y1.1 | length 21.4
  L1 w0.25: U8.39@76.75,115.45 76.767,115.45 76.767,116.9 v1(76.9,116.9)
  L1 w0.5: C173.1@64.75,126.55 65.55,126.55 68.25,123.85 Y1.1@68.25,119.4 69.8,119.4 v1(69.85,119.45)
  L2 w0.5: v1(69.85,119.45) 71.25,119.45 74.65,116.05 76.55,116.05 76.9,116.35 v1(76.9,116.9)
"MAIN OSC OUT": C174.1 U8.40 Y1.2 | length 21.5
  L1 w0.25: v1(76,116.9) 76.25,116.65 U8.40@76.25,115.45
  L1 w0.5: C174.1@64.75,128.15 Y1.2@68.25,128.15 ; Y1.2@68.25,128.7 Y1.2@68.25,128.15 ; v1(69.85,120.55) 69.85,123.95 68.25,125.55 Y1.2@68.25,128.15
  L2 w0.5: v1(69.85,120.55) 71.45,120.55 75.15,116.9 v1(76,116.9)
MCLR: C168.1 J1.1 R31.1 U8.7 | length 13.7
  L1 w0.25: J1.1@75.07,96.15 73.1,98.12 73.1,100.1 75.25,102.25 U8.7@75.25,103.95
  L1 w0.5: C168.1@75.05,92.05 75.05,93.55 R31.1@75.15,93.65 75.07,93.73 J1.1@75.07,96.15
MCU5.0V: R32.2 U8.34 | length 2
  L1 w0.25: U8.34@79.25,115.45 79.25,117.25 R32.2@79.45,117.25
MEAS12: C138.1 R23.2 R25.2 U8.18 | length 9.9
  L1 w0.25: U8.18@81.75,106.45 83.05,106.45 84.1,105.4 85.5,105.4 R25.2@87.25,103.65
  L1 w0.5: R25.2@87.25,103.65 C138.1@88.85,103.65 R23.2@88.85,105.25
NetR50_2: R50.2 R51.1 U22.2 | length 3.6
  L1 w0.5: R51.1@55.65,95.25 R50.2@55.65,96.85 55.885,97.085 U22.2@57.45,97.085 U22.2@57.55,97.085
NetR52_2: R52.2 R55.1 U23.2 | length 1.6
  L1 w0.5: R52.2@55.885,97.085 U23.2@57.45,97.085
NetTP9_1: TP9.1 U8.6 | length 4.1
  L1 w0.25: TP9.1@72.65,101.25 73.6,101.25 74.75,102.4 U8.6@74.75,103.95
NetTP10_1: TP10.1 U8.8 | length 5.5
  L1 w0.25: TP10.1@74,99.15 74,100.341 75.75,102.091 U8.8@75.75,103.95
NetTP11_1: TP11.1 U8.54 | length 2.1
  L1 w0.25: TP11.1@68.35,110.55 68.75,110.95 U8.54@70.25,110.95
NetTP12_1: TP12.1 U8.13 | length 6.9
  L1 w0.25: U8.13@78.25,103.95 78.25,102.9 79.8,101.35 79.8,100 80.75,99.05 TP12.1@81.75,99.05
NetTP17_1: TP17.1 U8.14 | length 3.7
  L1 w0.25: U8.14@78.75,103.95 78.768,103.95 78.768,103.1 80.468,101.4 TP17.1@80.85,101.4
NetTP18_1: TP18.1 U8.51 | length 9
  L1 w0.25: TP18.1@61.85,112.95 62.85,111.95 68.95,111.95 69.45,112.45 U8.51@70.25,112.45
NetTP19_1: TP19.1 U8.50 | length 6.3
  L1 w0.25: TP19.1@64.35,112.95 64.85,112.45 68.75,112.45 69.25,112.95 U8.50@70.25,112.95
NetTP20_1: TP20.1 U8.21 | length 3.3
  L1 w0.25: U8.21@81.75,107.95 83.25,107.95 84.25,106.95 TP20.1@84.25,106.55
NetTP21_1: TP21.1 U8.22 | length 5.8
  L1 w0.25: U8.22@81.75,108.45 83.45,108.45 84.5,107.4 85.9,107.4 TP21.1@86.75,106.55
NetTP22_1: TP22.1 U8.43 | length 12.7
  L1 w0.25: TP22.1@71.85,117.75 70.95,118.65 70.95,120.35 71.25,120.65 74.75,120.65 74.95,120.45 74.95,118.95 74.25,118.25 74.25,117.45 74.75,116.95 U8.43@74.75,115.45
NetTP23_1: TP23.1 U8.42 | length 2.3
  L1 w0.25: U8.42@75.25,115.45 TP23.1@75.25,117.75
NetTP24_1: TP24.1 U8.24 | length 3.3
  L1 w0.25: U8.24@81.75,109.45 84.45,109.45 TP24.1@84.85,109.05
NetTP25_1: TP25.1 U8.27 | length 9.5
  L1 w0.25: U8.27@81.75,110.95 83.75,110.95 85.25,112.45 85.95,112.45 86.75,113.25 86.75,114.55 88.25,116.05 TP25.1@88.35,116.05
NetTP26_1: TP26.1 U8.28 | length 5
  L1 w0.25: U8.28@81.75,111.45 83.45,111.45 85.55,113.55 TP26.1@85.85,113.55